# KiCad board dya-panelized.kicad_pcb (continued)
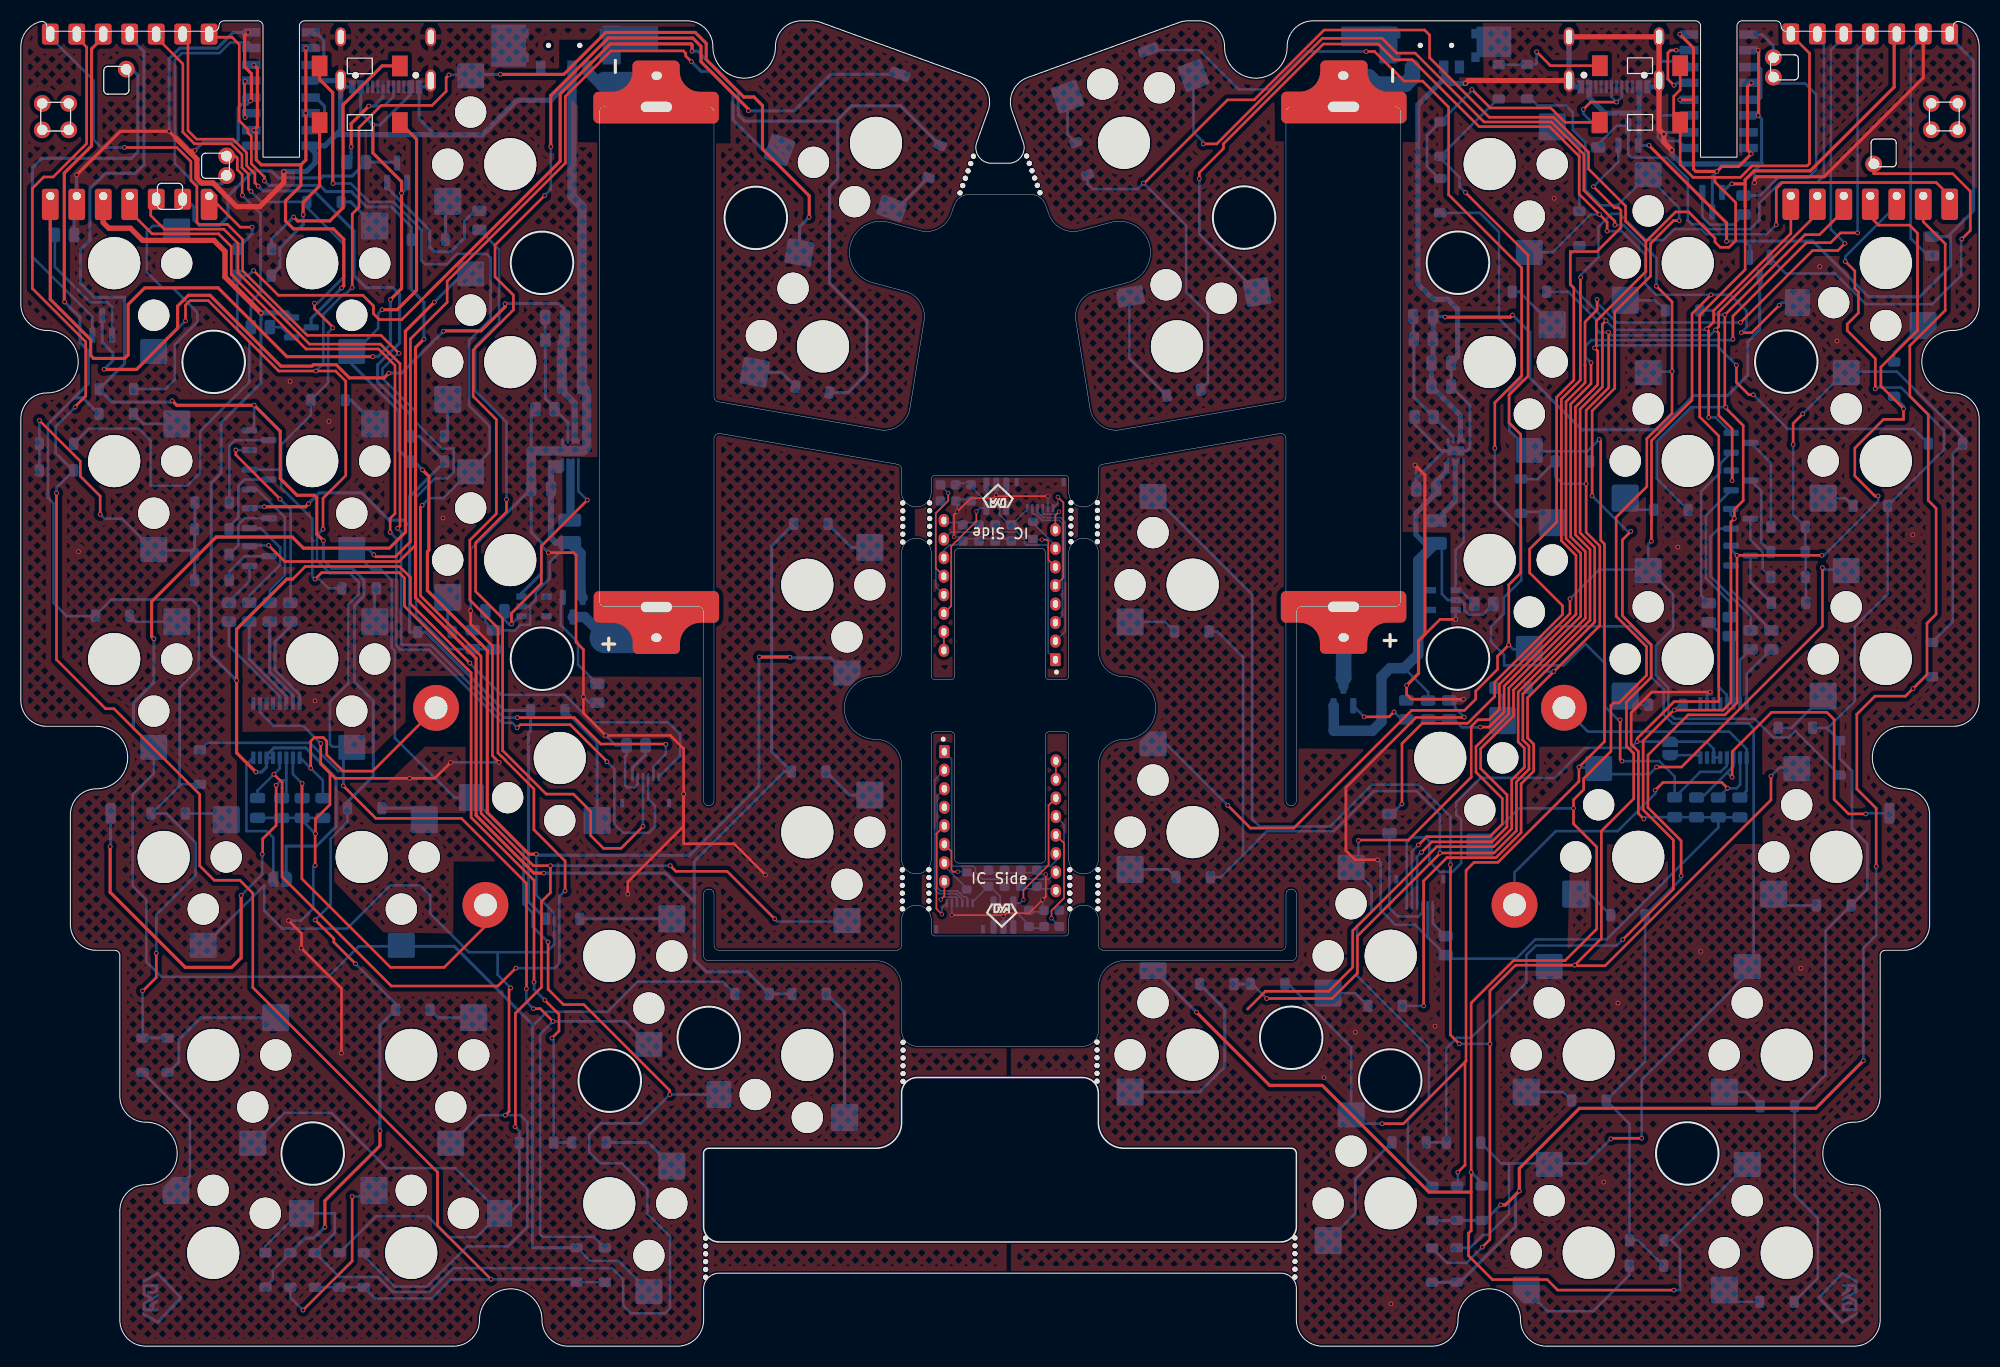
[diagram p0: board, top side]
## Routing (per net, layer and track width the routed paths; a pad name or vN(x,y) marks a point on that pad's centre or on a via; arc(x,y) is an arc through that point) (continued)
PINL3: length 147.2
  Top w0.25: v2(28.17,100.11) 28.17,99.58 29.92,97.83 v2(29.92,97.74) ; v2(49.23,34.94) 49.23,44.72 43.2,50.75 43.2,64.65 42.85,65 42.83,65 36.79,71.04 36.79,73.74 36.29,74.25 28.85,74.25 v2(28.22,73.62) ; v2(50.94,29.57) 51.63,30.26 51.63,31.86 v2(50.26,33.22) ; 12.98,125.65 15.54,123.09 15.54,116.53 16.67,115.41 20.17,115.41 21.21,114.37 21.21,113.13 21.83,112.51 21.83,111.09 v2(22.08,110.84)
  Bottom w0.25: v2(50.94,29.57) 51.12,29.39 DL21.1 ; 24.98,84.15 24.96,84.14 QL2.2 ; 24.98,84.15 24.98,82.4 27.96,79.42 27.96,73.88 v2(28.22,73.62) 28.63,73.62 29.52,72.73 DL19.2 ; 24.98,84.15 24.98,86.52 27.83,89.37 DL20.2 29.47,92.46 29.47,97.29 v2(29.92,97.74) ; v2(50.26,33.22) 49.23,34.25 v2(49.23,34.94) ; v2(22.08,110.84) 23.09,109.83 DL22.2 27.44,109.32 31.01,105.74 31.01,102.66 28.46,100.11 v2(28.17,100.11)
  Bottom w0.3: DL21.1 51.15,19.55 DL23.2 ; 27.34,109.92 DL22.2
PINL4: length 130.6
  Top w0.25: v2(22.77,111.35) 22.45,111.67 22.45,112.52 21.66,113.31 21.66,114.56 20.36,115.86 16.85,115.86 16.03,116.68 16.03,125.14 15.52,125.65
  Top w0.3: v2(27.6,80.86) 27.31,80.57 v2(23.36,80.57)
  Bottom w0.3: 37.3,78.71 37.3,81.54 DL28.1 38.24,87.33 DL29.2 37.34,89.43 34.22,92.55 34.22,94.18 36.34,96.3 36.34,100.96 35.68,101.62 33.1,101.62 31.97,102.76 31.97,107.04 28.11,110.89 23.23,110.89 v2(22.77,111.35) ; 37.3,78.71 36.72,79.29 35.32,79.29 32.71,81.91 28.63,81.91 27.54,80.82 27.58,80.86 v2(27.6,80.86) ; 37.3,78.71 37.3,68.54 38.84,68.54 46.35,61.03 DL26.2 48.9,59.07 48.7,58.87 48.7,42.65 DL25.2 ; v2(23.36,80.57) 22.08,80.57 QL3.2
PINL5: length 194.2
  Top w0.25: v2(23.77,76.86) 25.31,75.32 36.29,75.32 37.86,76.89 37.86,78.03 ; v2(23.36,111.85) 23.36,112.25 22.11,113.5 22.11,116.15 21.78,116.48 21.78,116.81 20.95,117.64 20.95,121.6 20.95,121.6 20.95,124.95 20.26,125.65 18.06,125.65
  Top w0.3: v2(50.17,45.41) 49.21,45.41 43.67,50.95 43.67,66.03 37.86,71.84 37.86,95.85 v2(38.67,96.66)
  Bottom w0.25: v2(23.77,76.86) 22.03,76.86 QL4.2
  Bottom w0.3: DL34.2 72.03,76.81 72.03,57.05 DL33.2 73.22,55.15 64.6,46.53 64.6,42.65 ; v2(50.17,45.41) 61.84,45.41 64.6,42.65 ; 64.6,42.65 64.6,37.1 65.78,35.92 69.7,35.92 DL35.1 DL32.2 ; v2(23.36,111.85) 23.78,111.43 28.67,111.43 29.27,110.83 31.7,110.83 33.17,109.36 35.54,109.36 37.45,107.45 DL31.2 37.45,101.44 38.67,100.22 v2(38.67,96.66)
PINL6: length 172.2
  Top w0.25: v2(22.18,107.41) 21.05,107.41 UL1.8 ; 38.99,100.99 36.54,98.54 34.39,98.54 33.82,99.11 33.82,99.86 32.8,100.88 24.69,100.88 v2(22.32,103.25)
  Top w0.3: 38.99,100.99 51.74,113.74 51.74,120.19 56.55,125 64.32,125 64.39,124.92 v2(64.39,124.3)
  Bottom w0.25: v2(22.32,103.25) 21.82,102.75 DL40.2 20.76,102.72 20.76,97.6 21.92,96.45 21.92,92.55 17.2,87.83 17.2,83.82 15.97,82.59 12.44,82.59 12.44,86.93 11.29,88.08 6.54,88.08 DL42.1
  Bottom w0.3: DL37.2 77.57,91.53 79.35,91.53 81.17,93.35 81.17,98.43 77.59,102.01 77.59,111.28 78.37,112.06 78.37,117.45 78.23,117.59 ; 78.23,117.59 69.43,117.59 68.82,118.2 68.82,120.42 64.94,124.3 v2(64.39,124.3) ; 78.23,117.59 79.7,119.06 84.4,119.06 DL38.2 ; DL40.2 20.73,105.3 DL39.2 22.18,106.75 v2(22.18,107.41)
PINR0: length 157.6
  Top w0.25: UR1.2 182.51,107.93 184.62,105.82 184.62,99.42 181.22,96.02 181.22,91.21 182.99,89.44 182.99,81.18 183.75,80.43 183.75,70.27 182.87,69.39 182.87,64.46 v2(181.53,63.12) 180.8,62.39 177.87,62.39 176.14,60.66 176.14,53.49 178,51.63 v2(178,46.05)
  Top w0.3: v2(141.97,13.56) 142.43,13.56 v2(143.76,14.89) 143.76,17.06 149.53,22.83 172.2,22.83 v2(176.77,27.4)
  Bottom w0.25: v2(176.77,27.4) 176.77,38.22 178,39.45 v2(178,46.05)
  Bottom w0.3: DR1.1 137.78,12.06 DR5.1 DR2.1 140.48,12.07 v2(141.97,13.56) ; DR6.1 182.66,64.25 v2(181.53,63.12) ; DR4.1 137.75,6.13 ; 137.75,6.13 138.06,6.13 143.39,11.46 143.39,14.52 v2(143.76,14.89) ; 137.75,6.13 DR3.1
PINR1: length 128.7
  Top w0.25: v2(175.03,104.12) 175.95,103.21 175.95,101.54 176.3,101.19 176.3,99.18 175.22,98.11 175.22,97.49 177.91,94.8 v2(177.91,91.89)
  Bottom w0.25: DR8.2 172.4,6.53 172.4,12.3 170.17,14.52 DR9.2 173.14,26.01 173.14,39.86 DR10.2 177.15,43.87 177.15,48.2 175.68,49.67 175.68,55.22 174.48,56.42 DR7.1 ; DR11.2 173.25,59.35 DR7.1 ; DR7.1 173.31,59.29 175.95,61.93 175.95,69.07 179.09,72.22 DR12.2 184.5,86.07 184.5,87.9 180.39,92.01 178.03,92.01 v2(177.91,91.89) ; UR1.3 179.97,109.53 175.03,104.59 v2(175.03,104.12)
PINR2: length 138.8
  Top w0.25: UR1.4 177.43,108.4 178.23,107.6 181.2,107.6 181.96,106.84 181.96,97.49 178.45,93.98 178.45,92.16 180.64,89.97 v2(180.62,89.97) 180.62,88.96 178.71,88.96 175.95,86.2 175.95,83.54 177.88,81.6 v2(178.18,81.6) ; v2(159.28,45.15) 159.28,48.51 156.1,51.69 156.1,56.74 159.96,60.6 163.49,60.6 164.65,61.77 164.65,75.89 v2(164.63,75.91) v2(172.78,75.91)
  Bottom w0.25: v2(164.63,75.91) 164.06,76.48 QR1.2 ; DR15.2 155.17,10.16 DR14.1 154.33,21.35 DR16.2 155.83,27.31 DR17.2 155.83,41.4 159.28,44.85 v2(159.28,45.15) ; DR13.2 180.62,90.27 v2(180.62,89.97) ; v2(178.18,81.6) 178.18,81.1 172.99,75.91 v2(172.78,75.91)
PINR3: length 141.9
  Top w0.25: v2(153.68,39.02) 158.54,43.88 158.54,48.58 155.64,51.49 155.64,58.12 158.57,61.05 v2(158.63,61.05) 163.3,61.05 164.06,61.81 164.06,75.67 164.06,75.67 164.06,79.11 v2(164.39,79.44) 164.39,80.32 165.24,81.17 165.24,88.37 163.58,90.03 v2(163.58,90.13) 163.48,90.24 v2(163.48,98.99) 171.17,106.69 172.56,106.69 174.89,109.02 UR1.5
  Bottom w0.25: DR19.2 159.14,61.56 v2(158.63,61.05) ; v2(153.68,39.02) 153.11,38.45 145.35,38.45 144.43,37.53 144.43,34.9 139.13,29.6 137.76,29.6 136.75,28.58 DR21.1 136.72,19.56 DR23.2 ; DR22.2 162.22,99.41 162.63,99 163.47,99 v2(163.48,98.99) ; DR20.2 156.95,83.29 156.95,86.86 160.22,90.13 v2(163.58,90.13) ; v2(164.39,79.44) 164.04,79.79 QR2.2
PINR4: length 141.9
  Top w0.25: v2(134.58,32.66) 134.58,44.66 136.81,46.89 141.52,46.89 143.93,49.3 143.93,53.98 145.14,55.19 145.14,57.78 144.55,58.37 144.55,62.24 v2(147.07,64.76) 151.48,69.17 151.48,76.81 150.17,78.12 v2(150.17,82.78) 150.17,89.84 152.34,92.01 152.34,97.29 v2(152.31,97.32) ; v2(164.18,83.08) 164.18,88.04 162.9,89.33 162.9,97.25 v2(162.59,97.55) 162.89,97.85 162.89,99.25 172.35,108.71 UR1.6
  Bottom w0.25: DR26.2 146.19,64.76 v2(147.07,64.76) ; DR27.2 143.94,83.22 145.51,83.22 DR28.1 147.21,83.49 147.92,82.78 v2(150.17,82.78) ; v2(134.58,32.66) DR25.2 ; DR29.2 148.46,101.21 151.16,98.52 151.16,97.59 151.43,97.32 v2(152.31,97.32) 152.6,97.03 162.07,97.03 v2(162.59,97.55) ; v2(164.18,83.08) 164.18,83.96 QR3.2
PINR5: length 190.7
  Top w0.25: v2(161.93,89.15) 161.93,97.45 v2(161.74,97.65) 162.4,98.31 162.4,99.4 169.81,106.81 UR1.7 ; v2(119.52,33.37) 125.8,33.37 128.23,35.8 128.23,39.37 136.15,47.29 v2(136.15,47.34) 141.34,47.34 143.48,49.49 143.48,54.17 144.69,55.38 144.69,57.6 144.1,58.19 144.1,62.61 151,69.51 151,76.66 149.59,78.07 149.59,89.94 151.73,92.08 151.73,98.09 v2(152.08,98.44)
  Bottom w0.25: QR4.2 162.59,89.15 v2(161.93,89.15) ; DR31.2 148.65,104.77 148.65,101.87 v2(152.08,98.44) 152.97,97.55 161.64,97.55 v2(161.74,97.65) ; 117.25,47.15 119.53,49.43 125.96,49.43 129.8,53.27 133.91,53.27 136.15,51.03 v2(136.15,47.34) ; 117.25,47.15 115.11,45.01 DR33.2 ; 117.25,47.15 117.25,66.14 114.79,68.6 DR34.2 ; v2(119.52,33.37) 118.12,34.77 DR35.1 117.8,34.6
  Bottom w0.3: DR35.1 117.96,34.76 DR32.2
PINR6: length 285.4
  Top w0.25: 155.9,106.03 155.9,103.15 151.15,98.4 151.15,95.99 v2(150.98,95.82) 151.28,95.52 151.28,92.28 149.14,90.14 149.14,77.88 150.55,76.47 150.55,69.69 143.65,62.8 143.65,58 144.24,57.41 144.24,55.56 143.03,54.35 143.03,49.67 141.3,47.94 135.83,47.94 127.78,39.89 127.78,36.37 125.48,34.07 119.41,34.07 117.69,32.35 ; 155.9,106.03 153.96,107.97 153.96,109.45 150.4,113 150.4,114.59 147.03,117.96 140.87,117.96 135.15,123.68 135.15,125.85 134.67,126.33 125.02,126.33 118.32,119.63 115.77,119.63 107.78,111.64 v2(107.71,111.64) ; 155.9,106.03 158.75,108.87 160.01,108.87 162.53,106.35 162.53,105.99 163.05,105.48 163.88,105.48 164.51,106.11 164.51,109.77 162.54,111.74 162.54,112.19 ; 169.81,125.89 171.6,124.1 171.6,113.51 171.38,113.29 166.09,113.29 164.99,112.19 162.54,112.19 ; v2(164.59,94.16) 164.59,92.51 165.78,91.32 v2(166.21,91.32) ; 162.54,112.19 160.43,112.19 159.19,113.43 SWR28.2 158.58,118.09 158.58,119.98 159.19,120.59 SWR27.2
  Bottom w0.25: DR37.2 113.89,92.52 113.89,99.12 111.8,101.21 111.8,107.55 v2(107.71,111.64) 107.14,111.07 102.82,111.07 102.34,111.56 DR38.2 ; DR42.1 181.59,88.04 169.49,88.04 v2(166.21,91.32) ; v2(150.98,95.82) 151.23,96.07 162.68,96.07 v2(164.59,94.16)
SCLK: length 27.1
  Bottom w0.16: J1.2 90.82,42.98 90.68,43.12 90.45,43.12 90.31,43.25 90.31,43.25 90.09,43.47 90.09,43.47 89.87,43.7 88.24,43.7 87.92,44.01 87.92,52.83 U1.3 ; P2_U1.3 99.93,70.14 99.93,78.95 99.62,79.27 97.99,79.27 97.76,79.49 97.76,79.49 97.54,79.71 97.54,79.71 97.41,79.85 97.18,79.85 97.04,79.99 P2_J1.2
SCLK_L: length 93.7
  Top w0.25: 12.98,110.4 12.46,109.88 12.46,108.52 13.76,107.22 19.47,107.22 20.83,105.86 20.83,103.04 27.69,96.18 34.5,96.18 36.37,94.31 36.37,78.72 v2(36.15,78.5) ; v2(61.88,57.77) 61.85,57.8 55.63,57.8 53.1,60.33 v2(47.63,60.33)
  Bottom w0.25: v2(47.63,60.33) 46.32,60.33 39.34,67.31 36.6,67.31 36.48,67.43 36.48,78.18 v2(36.15,78.5) ; v2(61.88,57.77) 61.88,56.84 60.68,55.64 JL3.2
SCLK_R: length 121.2
  Top w0.25: v2(175,105.85) 174.32,105.17 171.89,105.17 v2(164.98,98.26) ; v2(151.22,100.47) 151.22,99.47 150.07,98.32 150.07,94.17 150.07,94.17 150.07,92.48 148.24,90.65 148.24,77.51 149.65,76.1 149.65,70.07 142.75,63.17 142.75,60.69 139.6,57.54 139.6,55.1 142.13,52.57 142.13,50.12 140.91,48.9 134.87,48.9 v2(134.08,48.11)
  Bottom w0.25: v2(164.98,98.26) 153.11,98.26 151.22,100.15 v2(151.22,100.47) ; JR3.2 133.46,47.49 v2(134.08,48.11) ; 174.89,125.66 173.65,124.42 173.65,107.2 v2(175,105.85)
SDIO: length 30.4
  Bottom w0.16: U1.2 87.66,54.35 87.66,43.87 88.1,43.44 89.75,43.44 90.32,42.87 J1.3 ; P2_U1.2 100.19,68.62 100.19,79.09 99.76,79.53 98.11,79.53 97.54,80.1 P2_J1.3
SDIO_L: length 102.8
  Top w0.25: v2(56.23,56.1) 56.23,56.13 52.71,59.65 47.91,59.65 v2(47.62,59.36) ; v2(35.43,78.12) 35.43,79.45 35.89,79.91 35.89,94.15 34.33,95.71 27.36,95.71 20.19,102.89 20.19,105.56 18.97,106.77 12.59,106.77 10.44,108.92 UL1.11
  Bottom w0.25: v2(47.62,59.36) 47.14,59.84 46.18,59.84 39.17,66.85 36.39,66.85 36.33,66.91 36.33,66.94 36.03,67.24 36.03,77.53 v2(35.43,78.12) ; JL3.3 60.18,52.51 60.84,51.85 60.84,49.88 60.24,49.28 57.76,49.28 56.93,50.11 56.93,55.4 v2(56.23,56.1)
SDIO_R: length 118.6
  Top w0.25: v2(176.21,106.86) 174.56,106.86 173.62,105.92 171.3,105.92 164.25,98.87 v2(164.25,96.66) ; v2(134.37,47.41) 135.37,48.41 141.13,48.41 142.58,49.86 142.58,52.92 140.05,55.45 140.05,57.35 143.2,60.5 143.2,62.98 150.1,69.88 150.1,76.29 148.69,77.69 148.69,90.43 150.64,92.38 v2(150.64,94.41)
  Bottom w0.25: JR3.3 133.96,47 v2(134.37,47.41) ; v2(176.21,106.86) 176.21,124.44 177.43,125.66 ; v2(164.25,96.66) 164.16,96.57 150.68,96.57 150.12,96.01 150.12,94.94 v2(150.64,94.41)
TOUCHL1: length 18.1
  Top w0.25: v2(20.62,86.02) 20.62,85.56 v2(24.86,81.32)
  Bottom w0.25: QL1.1 20.63,86.02 v2(20.62,86.02) ; v2(24.86,81.32) 25.88,80.3 25.88,71.41 RL8.1
TOUCHL2: length 13.3
  Bottom w0.25: RL9.1 23.88,72.57 25.33,74.02 25.33,79.57 22.66,82.24 QL2.1
TOUCHL3: length 10.6
  Bottom w0.25: 21.91,70.99 21.91,72.03 24.88,75 24.88,76.65 23.01,78.52 QL3.1
TOUCHL4: length 4.3
  Bottom w0.25: QL4.1 21.95,73.43 19.96,71.45 RL11.1
TOUCHR1: length 7.8
  Bottom w0.25: QR1.1 164.06,72.58 RR8.1
TOUCHR2: length 12.8
  Bottom w0.25: RR9.1 165.95,70.06 162.1,73.91 162.1,77.69 162.88,78.47 QR2.1
TOUCHR3: length 14.1
  Bottom w0.25: RR10.1 163.95,71.42 161.65,73.72 161.65,79.72 QR3.1
TOUCHR4: length 15.9
  Bottom w0.25: QR4.1 163.02,84.7 163.02,83.86 161.2,82.04 161.2,72.05 RR11.1
Net-(DL1-A): length 251.6
  Top w0.25: v2(51.05,31.18) 49.84,32.39 v2(49.17,32.39) ; v2(31.79,101.62) 31.79,108.68 32.44,109.33 32.44,116.97 34.57,119.1 39.45,119.1 40.8,120.45 40.8,121.77 v2(41.06,122.03) ; v2(28.99,78.42) 28.99,81.39 31.17,83.57 31.17,92.62 30.19,93.6 24.74,93.6 17.98,100.36 16.23,100.36 15.8,99.92 v2(15.8,98.43) ; v2(48.49,34.31) 48.51,34.33 48.51,44.42 42.27,50.66 34.06,50.66 v2(30.93,53.79)
  Top w0.3: v2(46,122.08) 52.09,122.08 56.11,126.1 64.7,126.1 65.75,125.05 65.75,123.5 69.34,119.91 70.32,119.91 71.15,119.08 71.15,114.9 75.63,110.42 75.63,108.37 v2(75.62,108.36)
  Bottom w0.25: DL7.2 17.85,57.91 27.74,57.91 30.43,55.21 30.93,55.21 30.93,55.5 ; v2(41.06,122.03) 43.15,122.03 ; v2(49.17,32.39) 48.49,33.07 v2(48.49,34.31) ; 60.25,28.88 57.95,31.18 v2(51.05,31.18) 49.81,29.94 49.81,10.73 50.05,10.49 54.97,10.49 DL1.2 ; v2(15.8,98.43) 12.75,95.38 ; v2(31.79,101.62) 31.17,101 30.97,101 29.02,99.05 29.02,94.32 v2(28.3,93.6) ; 31.75,57.38 30.93,56.56 v2(30.93,53.79) 30.93,57.54 29.88,57.54 29.65,57.77 29.65,61.85 31.4,63.6 31.4,71.17 32.43,72.2 32.43,73.34 31.58,74.19 29.64,74.19 28.41,75.42 28.41,77.84 v2(28.99,78.42)
  Bottom w0.3: v2(75.62,108.36) 74.7,107.44 74.7,105.07 ; 43.15,122.03 43.2,122.08 v2(46,122.08)
Net-(DL8-K): length 13.8
  Bottom w0.25: DL8.1 16.22,21.74 16.22,16.3 SWL1.2
Net-(DL9-K): length 13.8
  Bottom w0.3: SWL2.2 17.27,31.53 15.15,29.41 15.15,27.25 14.19,26.28 DL9.1
Net-(DL10-K): length 4.2
  Bottom w0.25: DL10.1 19.1,51.13 SWL3.2
Net-(DL11-K): length 4.8
  Bottom w0.25: SWL4.2 11.01,69.53 DL11.1
Net-(DL12-K): length 4.5
  Bottom w0.25: SWL5.2 11.76,88.53 DL12.1
Net-(DL13-K): length 25.1
  Bottom w0.25: SWL6.2 12.64,107.53 12.09,106.98 12.09,103.07 13.56,101.61 14.56,101.61 16.93,99.23 16.93,98.32 14.77,96.16 14.77,92.76 13.88,91.87 DL13.1
Net-(DL14-A): length 239.1
  Top w0.25: v2(64.33,123.3) 63.79,123.84 63.79,124.1 63.56,124.33 56.61,124.33 52.24,119.96 52.24,113.57 40.9,102.23 40.9,100.21 37.37,96.68 37.37,77.22 35.92,75.77 34.06,75.77 v2(33.86,75.97) ; v2(62.26,24.16) 62.26,24.54 54,32.79 52.05,32.79 50.58,34.26 v2(50.58,38.79)
  Bottom w0.25: 66.88,24.16 v2(62.26,24.16) 59.49,21.39 55.64,21.39 54.53,20.28 54.53,18.6 55.58,17.55 57.67,17.55 60.11,15.11 60.11,12.7 62.28,10.53 62.28,3.63 61.8,3.15 58.54,3.15 57.78,3.91 57.78,6.41 56.7,7.49 41.47,7.49 39.18,5.2 35.68,5.2 34.24,6.64 30.54,6.64 28.23,8.95 DL2.2 30.11,10.86 30.11,12.76 26.61,12.76 23.46,9.6 DL14.2 ; v2(33.86,75.97) 33.36,76.48 SWL11.1 33.67,74.55 34.53,74.55 35.58,73.51 35.58,68.21 35.57,68.2 35.57,67.06 35.88,66.75 35.88,58.37 41.6,52.66 43.26,52.66 48.23,47.69 48.23,42.46 49.1,41.58 49.1,40.27 v2(50.58,38.79)
  Bottom w0.3: v2(64.33,123.3) 65.26,122.37 66.17,122.37 68.32,120.21 68.32,117.73 71.22,114.83 SWL23.1
Net-(DL15-K): length 18.4
  Top w0.25: v2(27.07,3.46) 31.78,8.17 v2(31.78,14.37)
  Bottom w0.25: v2(27.07,3.46) 25.85,4.68 DL15.1 ; v2(31.78,14.37) 33.29,14.37 SWL7.2
  Bottom w0.3: 34.45,15.09 34.79,14.75 34.81,14.77
Net-(DL16-K): length 4.5
  Bottom w0.3: DL16.1 40.03,31.53 SWL8.2
Net-(DL17-K): length 4.5
  Bottom w0.3: DL17.1 37.59,51.64 SWL9.2
Net-(DL18-A): length 9.5
  Bottom w0.25: DL18.2 20.01,86.41 20.56,86.97 QL1.3
Net-(DL18-K): length 34.6
  Top w0.25: v2(7.61,79.84) 7.61,81.59 5.7,83.5 5.7,84.94 v2(1.78,88.86)
  Bottom w0.25: DL6.2 1.78,85.09 1.78,85.09 v2(1.78,88.86) ; DL30.1 16.28,76.38 12.75,76.38 9.71,79.43 8.03,79.43 v2(7.61,79.84)
  Bottom w0.3: DL36.1 16.67,73.55 DL30.1 DL24.1 16.71,78.45 DL18.1 ; DL6.2 1.78,84.31
Net-(DL19-K): length 3.3
  Bottom w0.3: DL19.1 33.95,72.58 SWL10.2
Net-(DL20-K): length 3.8
  Bottom w0.3: DL20.1 31.67,90.81 SWL11.2
Net-(DL21-A): length 216.7
  Top w0.25: v2(47.41,21.06) 47.44,21.09 47.44,31.94 49.95,34.45 49.95,42.68 50.8,43.53 v2(50.8,46.12) 49.17,46.12 44.15,51.15 44.15,66.23 38.34,72.04 38.34,80.56 v2(38.5,80.72) ; v2(72.33,41.02) 67.76,45.58 62.84,45.58 v2(62.3,46.12)
  Top w0.3: v2(29.95,111.61) 29.92,111.64 29.92,120.33 28.66,121.59 SWL24.1
  Bottom w0.25: 79.25,40.75 72.59,40.75 v2(72.33,41.02) ; v2(29.95,111.61) 29.96,111.6 31.65,111.6 33.42,109.84 35.74,109.84 38.43,107.14 38.43,104.2 38.79,103.84 40.84,103.84 41.84,104.84 44.7,104.84 45.08,104.47 45.08,98.61 43.01,96.54 43.01,90.25 44.98,88.28 44.98,85.86 40.53,81.41 39.19,81.41 v2(38.5,80.72) ; 46.03,12.76 46.88,12.76 47.82,13.7 DL21.2 47.82,20.65 v2(47.41,21.06) ; 46.03,12.76 41.7,17.08 35.11,17.08 29.8,22.39 25.26,22.39 22.25,19.38 ; 46.03,12.76 43.74,10.47 41.01,10.47 39,12.48 34.08,12.48 DL3.2 ; v2(62.3,46.12) v2(50.8,46.12)
Net-(DL22-K): length 4.2
  Bottom w0.3: DL22.1 31.65,109.83 SWL12.2
Net-(DL23-K): length 7.2
  Bottom w0.3: DL23.1 60.18,19.55 SWL13.2
Net-(DL24-A): length 7.7
  Bottom w0.25: DL24.2 19.97,78.65 20.86,79.54 20.86,82.59 21.46,83.19 QL2.3
Net-(DL25-K): length 8.8
  Bottom w0.3: SWL14.2 53.64,41.03 DL25.1
Net-(DL26-K): length 11.8
  Bottom w0.3: DL26.1 52.2,61.02 55.28,57.95 SWL15.2
Net-(DL27-K): length 3.5
  Bottom w0.3: SWL16.2 40.95,68.97 DL27.1
Net-(DL28-A): length 237.2
  Top w0.25: v2(47,34.39) 46.84,34.23 46.84,22.53 v2(46.48,22.17)
  Top w0.3: v2(38.53,84.11) 39.15,83.5 39.15,76.41 39,76.26 39,72.53 44.75,66.78 44.75,51.21 48.74,47.23 v2(49.45,47.23) ; v2(70.85,66.15) 73.75,66.15 v2(73.78,66.12) ; v2(34.65,99.49) 36.1,99.49 37.96,101.35 37.96,115.85 SWL25.1
  Bottom w0.25: 45.74,37.81 42.98,37.81 39.27,41.52 39.27,43.23 38.27,44.23 35.44,44.23 31.3,40.09 25.07,40.09 23.35,41.8 23.35,44.23 17.5,38.38 ; 45.74,37.81 50.42,37.81 51.16,38.55 51.16,41.58 49.45,43.29 v2(49.45,47.23) ; 45.74,37.81 45.74,35.65 v2(47,34.39) ; v2(34.65,99.49) 34.28,99.12 34.28,97.7 31.96,95.38 31.75,95.38 ; 41.25,19.38 44.04,22.17 v2(46.48,22.17) 47.94,22.17 48.6,21.52 48.6,11.45 46.73,9.58 42.82,9.58 38.96,5.72 35.85,5.72 32.91,8.66 DL4.2
  Bottom w0.3: v2(38.53,84.11) 37.73,84.91 DL28.2 36.27,86 36.27,89.75 31.75,94.27 31.75,95.38 ; 79.25,64.51 77.69,66.07 73.83,66.07 v2(73.78,66.12) ; v2(49.45,47.23) 49.56,47.12 64.14,47.12 70.81,53.79 70.81,66.11 v2(70.85,66.15)
Net-(DL29-K): length 3.7
  Bottom w0.3: DL29.1 40.95,87.64 SWL17.2
Net-(DL30-A): length 6.4
  Bottom w0.25: DL30.2 20.86,76.88 20.86,78.87 21.46,79.47 QL3.3
Net-(DL31-K): length 4.4
  Bottom w0.3: 41.39,109.44 SWL18.2 40.75,109.68 DL31.1
Net-(DL32-K): length 12.6
  Bottom w0.3: SWL19.2 79.03,32.07 DL32.1
Net-(DL33-K): length 5.1
  Bottom w0.3: DL33.1 79.48,52.9 SWL20.2
Net-(DL34-K): length 4.9
  Bottom w0.3: DL34.1 79.71,76.66 SWL21.2
Net-(DL35-A): length 191.7
  Top w0.3: v2(12.76,67.9) 12.54,68.12 12.54,71.47 18.74,77.67 26.04,77.67 27.11,76.6 35.36,76.6 36.89,78.13 36.89,97.43 v2(39.67,100.21)
  Bottom w0.25: 60.25,5.13 60.25,5.26 57.32,8.19 54.58,8.19 DL5.2 ; 12.75,57.38 12.75,54.96 10.73,52.94 10.73,44.17 12.03,42.86 12.03,36.92 13.49,35.46 29.5,35.46 32.42,38.38 36.5,38.38 ; 49.07,30.71 50.46,32.1 56.26,32.1 59.15,34.99 67.33,34.99 DL35.2
  Bottom w0.3: v2(12.76,67.9) 12.76,63.72 10.8,61.76 10.8,59.33 12.75,57.38 ; 43.15,103.03 42.49,103.03 v2(39.67,100.21) ; DL5.2 49.07,9.45 49.07,30.89 41.58,38.38 36.5,38.38
Net-(DL36-A): length 5.2
  Bottom w0.25: QL4.3 21.48,75.83 19.98,74.33 DL36.2
Net-(DL37-K): length 4.5
  Bottom w0.3: DL37.1 72.94,93.48 SWL22.2
Net-(DL38-K): length 7
  Top w0.16: 99.3,56.18 99.3,54.4
  Bottom w0.3: SWL23.2 83.52,108.64 DL38.1
Net-(DL39-K): length 26.2
  Top w0.3: SWL24.2 34.65,122.89 30.91,119.15 30.91,109.28 29.64,108.01 26.55,108.01 v2(26.17,108.39)
  Bottom w0.3: DL39.1 24.05,106.27 v2(26.17,108.39)
Net-(DL40-K): length 16.6
  Top w0.3: v2(27.08,108.61) 27.08,109.79 28.66,111.37 SWL25.2
  Bottom w0.3: v2(27.08,108.61) 27.08,107.66 24.85,105.43 24.85,103.57 DL40.1
Net-(DR1-A): length 250.9
  Top w0.25: v2(128.32,48.53) 128.37,48.58 133.11,48.58 139.15,54.62 139.15,59.49 139.79,60.13 140.85,60.13 141.85,61.13 141.85,63.54 148.62,70.31 v2(148.62,71.73) ; v2(152.18,107.03) 152.18,107.9 v2(151.45,108.63) 149.5,110.58 149.5,114.22 146.66,117.06 139.9,117.06 133.48,123.48 131.73,123.48 130.22,124.99 124.95,124.99 115.37,115.41 115.37,114.95 113.06,112.64 v2(113.06,112.07) ; v2(165.06,97.28) 166.06,97.28 v2(168.7,99.92) ; v2(162.15,100.92) 160.33,99.1 160.33,90.82 156.44,86.93 156.44,79.16 156.43,79.15 v2(156.43,77.27)
  Bottom w0.25: DR7.2 170.23,59.07 169.59,58.43 168.13,58.43 166.34,60.22 158.65,60.22 158.06,60.81 158.06,63.22 156.86,64.41 156.86,67.23 158.52,68.89 158.52,72.14 156.12,74.54 ; 156.12,74.54 156.12,76.96 v2(156.43,77.27) ; 156.12,74.54 151.43,74.54 v2(148.62,71.73) ; SWR22.1 113.06,106.73 v2(113.06,112.07) ; DR1.2 133.08,17.7 133.08,21.71 135.09,23.72 135.09,28.65 128.19,35.55 128.19,40.31 129.58,41.7 129.58,44.08 127.62,46.04 128.32,46.74 v2(128.32,48.53) ; 170.35,100.17 168.95,100.17 v2(168.7,99.92) ; SWR18.1 146.95,104.99 150.6,108.63 v2(151.45,108.63) ; v2(152.18,107.03) 153.58,107.03 155.85,104.77 155.85,101.97 156.9,100.92 v2(162.15,100.92) 164.01,100.92 165.56,99.38 165.56,97.78 v2(165.06,97.28)
Net-(DR8-K): length 3.9
  Bottom w0.25: DR8.1 164.55,4.26 SWR1.2
Net-(DR9-K): length 4
  Bottom w0.25: DR9.1 165.52,24.39 SWR2.2
Net-(DR10-K): length 4.6
  Bottom w0.25: SWR3.2 169.26,42.3 DR10.1
Net-(DR11-K): length 5.6
  Bottom w0.25: SWR4.2 169.88,59.35 DR11.1
Net-(DR12-K): length 3.2
  Bottom w0.25: SWR5.2 175.06,81.39 DR12.1
Net-(DR13-K): length 4.6
  Bottom w0.25: DR13.1 179.72,95.37 182.31,97.96
Net-(DR14-A): length 269.5
  Top w0.25: v2(156.9,101.75) 158.41,100.24 v2(158.41,93.56) 158.41,89.54 155.99,87.12 155.99,82.51 153.05,79.57 153.05,70.07 155.96,67.16 155.96,64.39 153.31,61.74 152.79,61.74 152.55,61.5 152.55,57.1 149.93,54.48 149.93,53.42 148.96,52.45 v2(148.96,51.63) 148.96,50.14 151.18,47.92 151.18,40.04 148.16,37.02 143.21,37.02 139.14,32.95 v2(139.14,16.69) 139.14,11.09 138.89,10.84 138.89,8.68 141.18,6.39 146.43,6.39 147.44,5.38 v2(158.58,5.38) ; v2(152.93,107.61) 152.93,107.97 149.95,110.95 149.95,114.41 146.85,117.51 140.37,117.51 133.76,124.12 132,124.12 130.59,125.53 124.86,125.53 114.73,115.4 v2(113.44,115.4)
  Top w0.3: v2(112.79,32.05) 119.81,25.03 124.85,25.03 135.09,14.79 139.14,14.79
  Bottom w0.25: 139.97,47.89 143.7,51.62 148.95,51.62 v2(148.96,51.63) ; SWR1.1 158.34,10.16 ; 158.34,10.16 159.18,9.32 159.18,5.38 v2(158.58,5.38) ; 158.34,10.16 DR14.2 ; v2(113.44,115.4) 113.44,115.59 112.5,116.53 SWR23.1 ; v2(152.93,107.61) 153.75,107.61 156.9,104.46 v2(156.9,101.75) ; v2(158.41,93.56) 158.39,93.54 156.12,93.54
  Bottom w0.3: v2(139.14,16.69) 140.14,15.69 DR2.2 ; SWR19.1 108.63,36.22 v2(112.79,32.05)
Net-(DR15-K): length 13.1
  Bottom w0.25: SWR7.2 146.46,3.35 150.85,3.35 154.31,6.81 DR15.1
Net-(DR16-K): length 4.7
  Bottom w0.25: SWR8.2 147.99,24.39 DR16.1
Net-(DR17-K): length 4.2
  Bottom w0.25: DR17.1 150.51,43.39 SWR9.2
Net-(DR18-A): length 5.4
  Bottom w0.25: DR18.2 165.94,73.36 QR1.3
Net-(DR18-K): length 59.7
  Top w0.25: v2(170.03,86.55) 170.03,88.57 v2(170.95,89.49)
  Bottom w0.25: DR6.2 185.35,69.55 185.35,85.67 DR42.2 186.3,87.23 179.99,93.54 175,93.54 v2(170.95,89.49) ; 171.25,78.68 171.21,78.64 171.21,76.24 171.23,76.22 171.23,73.77 171.26,73.74 171.26,71.22 ; v2(170.03,86.55) 170.03,79.82 DR36.1
Net-(DR19-K): length 2.6
  Bottom w0.25: SWR10.2 154.75,61.56 DR19.1
Net-(DR20-K): length 3.2
  Bottom w0.25: SWR11.2 155.02,80.29 DR20.1
Net-(DR22-K): length 4.3
  Bottom w0.25: SWR12.2 156.79,100.39 DR22.1
Net-(DR23-K): length 12
  Bottom w0.25: SWR13.2 128.03,12.75 128.03,16.05 DR23.1
Net-(DR24-A): length 6.4
  Bottom w0.25: QR2.3 165.92,77.4 167.11,76.21 167.11,74.61 DR24.2
Net-(DR25-K): length 4.3
  Bottom w0.25: DR25.1 128.01,33.89 SWR14.2
Net-(DR26-K): length 3.5
  Bottom w0.25: DR26.1 142.17,62.34 SWR15.2
Net-(DR27-K): length 3.5
  Bottom w0.25: DR27.1 144.06,80.08 145.88,80.08 SWR16.2
Net-(DR29-K): length 5.1
  Bottom w0.25: DR29.1 143.75,101.21 SWR17.2
Net-(DR30-A): length 7.7
  Bottom w0.25: QR3.3 166.98,82.08 166.98,77.14 DR30.2
Net-(DR31-K): length 9.6
  Bottom w0.25: SWR18.2 147.57,117.04 149.52,115.09 DR31.1
Net-(DR32-K): length 42.3
  Bottom w0.16: 93.95,44.82 94.38,44.4 94.38,43.9 ; 93.95,44.82 98.63,44.82 99.3,45.5 99.3,45.5 ; 93.95,44.82 92.27,44.82 91.58,45.52 91.58,45.86 91.37,46.06 89.46,46.06 89.29,46.23 89.29,56.37 88.6,57.07
  Bottom w0.3: DR32.1 115.5,32.36 115.5,26.81 113.09,24.4 SWR19.2
Net-(DR33-K): length 4.7
  Bottom w0.25: SWR20.2 110.08,45.77 DR33.1
Net-(DR34-K): length 4.6
  Bottom w0.25: SWR21.2 109.77,69.52 DR34.1
Net-(DR36-A): length 8.9
  Bottom w0.25: QR4.3 167.9,84.77 DR36.2
Net-(DR37-K): length 11.7
  Bottom w0.25: SWR22.2 106.35,94.83 DR37.1 109.77,91.41
Net-(DR38-K): length 4.7
  Bottom w0.25: SWR23.2 100.42,116.32 DR38.1
Net-(DR43-A): length 11.4
  Top w0.25: v2(145.42,124.24) 146.75,122.91 SWR27.1
  Bottom w0.25: v2(145.42,124.24) 145.42,123.16 145.29,123.03 DR44.2 144.48,123.01 DR43.2
Net-(DR45-A): length 24.5
  Top w0.25: v2(139.21,120.62) 140.98,118.85 146.78,118.85 148.16,117.47 SWR28.1
  Bottom w0.25: DR46.2 136.08,112.08 134.9,113.26 134.9,116.22 139.21,120.53 v2(139.21,120.62)
Net-(JL3-Pin_6): length 3.6
  Bottom w0.3: RL1.2 59.94,56.77 58.68,55.52 JL3.6
Net-(JL4-Pin_1): length 9.4
  Bottom w0.3: 60.97,67.51 JL4.1
  Bottom w1: QL8.3 54.08,69.99 56.06,68.01
  Bottom w3: JL4.1 56.06,68.01
Net-(JL4-Pin_2): length 7.8
  Bottom w1: 60.51,121.46 JL4.2 ; SW_BATL1.1 54.37,122.34 55.38,121.33 56.02,121.33
  Bottom w2: 60.51,121.46 60.38,121.33 56.02,121.33
Net-(JPL1-A): length 14.1
  Bottom w0.25: UL4.8 21.64,55.83 21.64,49.45 21.65,49.44 23.6,49.44 24.22,48.82 JPL1.1
Net-(JPR1-A): length 3
  Bottom w0.25: JPR1.1 160.9,56.72 UR4.8
Net-(JR3-Pin_6): length 3.5
  Bottom w0.25: RR1.2 135.46,40.57 JR3.6
Net-(JR4-Pin_1): length 4.7
  Bottom w1: QR8.3 126.88,64.14
  Bottom w1.5: JR4.1 126.9,64.16 126.88,64.14
Net-(JR4-Pin_2): length 9.7
  Bottom w0.5: 126.87,118.02 129,118.02 ; 126.87,118.41 126.97,118.41 128.18,119.62
  Bottom w1.5: SW_BATR1.3 133.51,121.81 132.83,121.13 130.05,121.13 129.33,121.85
Net-(LED_L1-DOUT): length 5.6
  Bottom w0.3: LED_L1.1 28.31,126.11 29.06,125.36 29.06,123.22 28.82,122.98 LED_L2.3
Net-(LED_L1-VDD): length 47.4
  Top w0.3: 26.86,113.39 27.34,113.87 v2(27.34,118.36) v2(27.34,124.61) ; 26.86,113.39 26.86,111.41 25.39,109.94 25.39,108.01 26.15,107.25 29.98,107.25 30.98,106.25 30.98,101.78 v2(30.78,101.58) ; 26.86,113.39 23.07,113.39 22.59,113.88 22.59,116.49 v2(22.35,116.72) 22.69,117.06 22.69,122.64 v2(22.35,122.98)
  Bottom w0.3: QL5.3 27.85,98.65 v2(30.78,101.58)
Net-(LED_L2-DOUT): length 7.1
  Top w0.25: v2(21.52,117.94) 21.46,118.01 21.46,121.34 v2(21.52,121.4)
  Bottom w0.25: v2(21.52,121.4) 21.44,121.48 ; v2(21.52,121.4) 21.52,121.36 21.64,121.48 LED_L2.1 21.6,121.48 v2(21.52,121.4) ; v2(21.52,117.94) 21.93,118.35 LED_L3.3 21.63,118.35
Net-(LED_L3-DOUT): length 5.7
  Bottom w0.3: LED_L4.3 28.86,116.72 29.13,116.99 29.13,119.03 28.31,119.85 LED_L3.1
Net-(LED_R1-DOUT): length 7.5
  Top w0.25: v2(158.6,121.03) 158.01,121.62 158.01,124.13 158.28,124.4 v2(158.82,124.4)
  Bottom w0.25: LED_R2.3 158.92,121.27 158.68,121.03 v2(158.6,121.03) ; v2(158.82,124.4) LED_R1.1
Net-(LED_R1-VDD): length 36
  Top w0.25: v2(159.15,119.64) 160.47,119.64
  Top w0.3: v2(159.15,125.93) 160.47,124.61 160.47,112.99 160.7,112.77 v2(162.72,112.77) 163.2,113.24 164.81,113.24 v2(166.02,114.45) 165.65,114.82 165.65,120.9 v2(166.02,121.27)
  Bottom w0.25: LED_R1.4 159.18,125.9 v2(159.15,125.93) ; v2(166.02,114.45) 165.5,114.98 LED_R4.4 ; LED_R2.4 v2(166.02,121.27) ; v2(162.72,112.77) 162.72,112.72 ; LED_R3.4 v2(159.15,119.64)
  Bottom w0.3: QR5.3 162.27,112.27 162.72,112.72
Net-(LED_R2-DOUT): length 5.8
  Bottom w0.25: LED_R2.1 166.79,122.77 166.97,122.59 166.97,119.86 166.75,119.64 LED_R3.3
Net-(LED_R3-DOUT): length 8.8
  Bottom w0.25: LED_R3.1 157.44,118.14 157.05,117.75 157.05,116.02 157.38,115.69 159.03,115.69 159.47,115.24 160.07,115.24 LED_R4.3
Net-(LL1-Pad2): length 11.6
  Bottom w0.25: UL2.6 52.98,79.62 LL1.2 52.48,79.46 UL2.7
Net-(LR1-Pad2): length 7.2
  Bottom w0.25: 137.61,84.69 UR2.6 UR2.7
  Bottom w0.5: LR1.2 137.61,81.12 137.61,84.69
Net-(P2_U1-+VCSEL): length 23.3
  Bottom w0.16: 88.55,77.47 P2_U1.10 89.23,78.14 93.9,78.14 ; 93.9,78.14 95.58,78.14 96.28,77.45 96.28,77.11 96.48,76.9 98.39,76.9 98.56,76.73 98.56,66.59 P2_U1.1 ; 93.9,78.14 93.48,78.57 93.48,79.06
Net-(P2_U1--VCSEL): length 1.8
  Top w0.16: P2_U1.16 P2_U1.15
Net-(P2_U1-CN): length 9.7
  Bottom w0.16: P2_U1.13 87.78,72.9 87.78,79.96 88.37,80.55 88.37,81.28
Net-(P2_U1-CP): length 10
  Top w0.16: P2_U1.12 87.78,74.68 87.78,79.96 88.98,81.16 v1(88.98,81.9)
  Bottom w0.16: 88.37,82.83 88.37,82.51 v1(88.98,81.9)
Net-(P2_U1-NRESET): length 3.4
  Bottom w0.16: P2_R1.1 97.11,79.01 99.25,76.86 P2_U1.7
Net-(P2_U1-VCP): length 3.4
  Bottom w0.16: 91.92,79.06 88.74,79.06 P2_U1.9
Net-(QL5-G): length 2.5
  Bottom w0.25: QL5.1 24.99,97.82 RL5.2
Net-(QL6-D): length 74.9
  Top w0.3: v2(7.98,93.76) 11.1,93.76 13.3,95.96 13.3,95.98 15.04,97.72 15.04,99.84 16.07,100.87 18.14,100.87 24.94,94.08 27.93,94.08 28.05,94.2 30.26,94.2 31.52,92.94 34.84,92.94 v2(35.3,93.4) ; v2(46.45,100.06) 46.45,99.76 44.15,97.46 40.59,97.46 v2(40.55,97.42)
  Bottom w0.3: v2(46.45,100.06) 46.48,100.09 51.59,100.09 52.19,99.49 CL6.1 ; v2(40.55,97.42) 36.53,93.4 v2(35.3,93.4) ; 52.19,96.63 RL6.1 51.92,96.36 ; 53.24,86.88 53.13,86.99 ; QL6.3 7.81,96.37 8.83,95.35 8.83,94.61 v2(7.98,93.76) ; UL2.4 UL2.3 ; 51.92,92.14 CL8.1
  Bottom w0.6: 53.13,86.99 53.13,90.51 51.93,91.71 CL8.1
  Bottom w0.9: 51.92,92.14 CL7.1 51.92,96.36 ; CL6.1 52.19,96.63
Net-(QL7-S): length 15.4
  Bottom w0.3: RL14.1 43.53,108.97 42.56,108.01 42.56,106.37 41.24,105.05 39.67,105.05 39.23,105.49 39.23,107.11 35.14,111.2 QL7.2
Net-(QL8-G): length 9.8
  Bottom w0.25: QL8.1 51.8,71.68 51.8,69.2 53.45,67.55 53.45,65.42 55.29,63.58 RL13.2
Net-(QL8-S): length 32.7
  Bottom w0.25: 48.78,71.01 49.39,71.62 49.39,72.35 50.72,73.68 50.72,75.23 52.63,77.14 LL1.1 ; 48.78,71.01 48.86,70.94 48.86,69.28 48.82,69.24 47.92,69.24 47.4,68.72 RL2.1 44.57,69.53 RL4.2 ; 48.78,71.01 UL3.2 48.37,71.01
  Bottom w0.3: UL2.8 51.98,84.11 51.82,83.95 50.86,83.95
  Bottom w0.6: LL1.1 51.31,77.14 50.86,77.58 CL5.1 50.86,83.95
  Bottom w1: QL8.2 53.69,72.07 53.69,76.1 LL1.1
Net-(QR5-G): length 7
  Bottom w0.25: RR5.2 164.3,107.66 162.04,107.66 161.32,108.38 QR5.1
Net-(QR6-D): length 63.5
  Top w0.3: v2(143.11,98.98) 142.9,98.77 136.66,98.77 v2(136.65,98.78)
  Bottom w0.25: 138.12,87.18 UR2.4 UR2.3
  Bottom w0.3: 166.93,102.53 QR6.3 166.82,97.56 165.68,96.42 165.68,93.2 163.72,91.24 160.48,91.24 157.2,87.96 149.75,87.96 144.78,92.93 144.78,97.31 v2(143.11,98.98) ; v2(136.65,98.78) 136.59,98.84 CR6.1
  Bottom w0.5: CR6.1 135.49,96.68 RR6.1 135.46,94.5 CR7.1 135.33,92.14 CR8.1 138.12,89.33 138.12,87.18 ; 135.68,96.64 135.73,96.59
Net-(QR7-S): length 82.8
  Top w0.25: v2(132.5,52.05) 132.5,57.84 134.46,59.8 138.82,59.8 141.4,62.38 141.4,63.73 147.9,70.23 147.9,71.08 144.75,74.23 144.75,76.51 147.34,79.1 147.34,91.09 148.99,92.73 148.99,101.58 148.65,101.92 148.65,105.07 151.2,105.07 153.51,107.37 153.51,109.03 153.26,109.28 152.9,109.28 v2(150.87,111.3)
  Bottom w0.25: QR7.2 153.26,113.69 v2(150.87,111.3) ; v2(132.5,52.05) 131.53,51.08 RR14.1
Net-(QR8-G): length 6
  Top w0.25: v2(128.87,60.41) 131.27,60.41 v2(131.74,60.88)
  Bottom w0.25: RR13.1 132.45,60.17 v2(131.74,60.88) ; QR8.1 127.83,61.45 v2(128.87,60.41)
Net-(QR8-S): length 53.7
  Bottom w0.25: LR1.1 136.34,76.44 136.34,72.19 136.91,71.61 UR3.2 138.16,71.61 138.49,71.29 138.49,70.65 138.92,70.22 140.25,70.22 RR4.2 ; 136.77,84.73 136.91,84.87 UR2.8 ; RR2.1 135.01,62.79 132.72,65.08
  Bottom w0.5: 136.77,84.73 136.77,83.96 135.77,82.96 CR5.1 135.77,81.9 133.84,79.97 133.84,77.9 134.68,77.07 LR1.1
  Bottom w1: LR1.1 134.06,75.42 134.06,66.42 132.72,65.08 131.36,65.08 130.54,64.26 130.54,59.94 129.67,59.07 125.96,59.07 125.96,61.45 QR8.2
Net-(TL1-Pin_1): length 24.2
  Top w0.25: v2(27.81,55.47) 27.81,58.07 28.17,58.43 29.01,58.43 29.35,58.09 29.35,56.77 30.91,55.2 33.76,55.2 TL1.1
  Bottom w0.25: CL1.1 28.97,54.31 v2(27.81,55.47) 26.8,56.48 UL4.1
Net-(TL2-Pin_1): length 38.2
  Top w0.25: v2(26.98,54.01) 26.96,53.99 26.96,44.86 35.46,36.36 40.61,36.36 44.57,40.32 TL2.1
  Bottom w0.25: UL4.2 26.11,54.89 v2(26.98,54.01) CL2.1
Net-(TL3-Pin_1): length 46.7
  Top w0.25: v2(24.49,53.84) 24.49,49.99 23.2,48.7 23.2,47.27 v2(23.15,47.22)
  Top w0.3: v2(21.13,43.26) 21.13,37.27 20.22,36.36 15.77,36.36 8.56,43.57 v2(8.56,47.96)
  Bottom w0.25: 25.47,54.31 25.47,53.05 CL3.1 ; 25.47,54.31 UL4.3 ; 25.47,54.31 24.96,54.31 v2(24.49,53.84) ; v2(21.13,43.26) 23.15,45.28 v2(23.15,47.22)
  Bottom w0.3: v2(8.56,47.96) 8.61,48.01 TL3.1
Net-(TL4-Pin_1): length 181.7
  Top w0.25: v2(50.25,110.45) 45.49,105.69 45.49,102.64 47.25,100.88 47.25,99.47 43.39,95.61 43.39,91.17 45.62,88.94 45.62,79.91 43.07,77.36 43.07,71.63 45.77,68.93 45.77,56.94 46.1,56.62 46.12,56.62 46.46,56.28 46.46,56.26 49.22,53.49 49.22,49.56 52.21,46.57 v2(52.21,43.71) ; v2(24.27,54.9) 25.07,54.11 25.07,53.6 25.06,53.6 25.06,45.04 35.53,34.57 45.77,34.57 v2(47.49,36.29)
  Top w0.3: v2(50.84,115.14) 50.84,120.05 56.35,125.56 64.46,125.56 65.25,124.77 65.25,123.29 69.8,118.74 v2(69.8,118.58)
  Bottom w0.25: v2(50.25,110.45) 50.84,111.04 v2(50.84,115.14) ; UL4.4 24.84,55.47 v2(24.27,54.9) 22.71,53.34 CL4.1 ; v2(52.21,43.71) 51.66,43.16 51.66,36.73 51.22,36.29 v2(47.49,36.29)
  Bottom w0.3: v2(69.8,118.58) 74.2,118.58 77.71,122.09 TL4.1 ; 22.71,52.56 22.7,52.57
Net-(TR1-Pin_1): length 24.1
  Bottom w0.25: CR1.1 165.58,53.32 UR4.1 165.58,57.31 163.9,58.98 150.34,58.98 TR1.1
Net-(TR2-Pin_1): length 32.8
  Top w0.25: v2(163.74,53.55) 163.18,54.11 157.54,54.11 v2(156.8,53.37)
  Bottom w0.25: CR2.1 v2(163.74,53.55) 164.6,53.55 164.94,53.89 UR4.2 ; v2(156.8,53.37) 156.8,53.04 153.19,49.43 147.26,49.43 143.3,45.47 TR2.1
Net-(TR3-Pin_1): length 33.9
  Top w0.25: v2(164.18,54.61) 164.18,57.06 167.96,60.84 173.27,60.84 173.96,60.15 173.96,52.48 175.35,51.09 v2(176.99,51.09)
  Bottom w0.25: 163.69,55.06 164.31,55.68 UR4.3 ; 163.69,55.06 164.14,54.61 v2(164.18,54.61) ; 163.69,55.06 161.3,52.67 CR3.1 ; v2(176.99,51.09) 177.05,51.15 TR3.1
Net-(TR4-Pin_1): length 130.6
  Top w0.25: v2(153.43,60.12) 153.43,56.33 v2(153.6,56.16) ; v2(141.41,86.18) 141.41,90.57 143.98,93.14 143.98,103.52 136.98,110.52 136.98,118.94 134.49,121.43 132.71,121.43 129.87,124.27 v2(129.06,124.27)
  Bottom w0.25: v2(141.41,86.18) 141.41,81.07 143.94,78.54 143.94,73.52 142.28,71.86 142.28,70.31 141.05,69.08 141.05,67.6 142.31,66.34 142.31,65.35 148.02,65.35 150.09,67.42 151.99,65.52 151.99,61.38 153.25,60.12 v2(153.43,60.12) ; TR4.1 113.06,124.41 116.84,120.63 119.78,120.63 123.42,124.27 v2(129.06,124.27) ; UR4.4 163.67,55.71 163.08,55.12 161.11,55.12 CR4.1 158.67,54.66 157.17,56.17 153.61,56.17 v2(153.6,56.16)
Net-(UL2-EN): length 22
  Top w0.25: v2(54.34,81.21) 49.93,76.8 49.93,73.21 47.07,70.35 v2(47.07,69.31)
  Bottom w0.25: RL4.1 46.4,69.74 46.82,69.31 v2(47.07,69.31) 47.82,70.06 UL3.1 ; v2(54.34,81.21) 53.48,82.07 UL2.5
Net-(UL2-FB): length 12.8
  Bottom w0.3: UL2.2 52.48,88.64 RL7.1 51.2,90.09 50.32,90.96 RL6.2 50.29,96.61 CL6.2
Net-(UL4-TPQ0): length 9.4
  Bottom w0.3: UL4.16 26.74,62.55 24.38,64.91 24.38,67.6 25.84,69.06 RL8.2
Net-(UL4-TPQ1): length 8.8
  Bottom w0.3: UL4.15 26.11,62.47 23.88,64.7 RL9.2
Net-(UL4-TPQ2): length 9.3
  Bottom w0.3: UL4.14 25.47,62.4 21.91,65.96 RL10.2
Net-(UL4-TPQ3): length 9.9
  Bottom w0.25: UL4.13 24.84,62.36 19.96,67.24 RL11.2
Net-(UR2-EN): length 15.1
  Bottom w0.25: UR2.5 138.41,77.16 137.66,76.41 UR3.1 138.13,72.56 RR4.1
Net-(UR2-FB): length 13.5
  Bottom w0.3: UR2.2 137.41,87.32 RR7.1 133.64,91.1 RR6.2 133.59,96.7 CR6.2
Net-(UR4-TPQ0): length 6.2
  Bottom w0.25: UR4.16 165.58,64.51 RR8.2
Net-(UR4-TPQ1): length 5.6
  Bottom w0.25: UR4.15 164.94,65.88 RR9.2
Net-(UR4-TPQ2): length 6.6
  Bottom w0.25: RR10.2 164.31,67.8 UR4.14
Net-(UR4-TPQ3): length 8.5
  Bottom w0.25: RR11.2 162.9,68.53 162.9,63.28 163.67,62.51 UR4.13

## Copper pours and planes (outline as drawn; the poured copper is in the pictures)
GND on Top: 86.51,59.66 102.09,59.55 102.09,38.51 86.4,38.51
GND on Top: 101.35,63.31 85.77,63.42 85.77,84.46 101.46,84.46
GND on Bottom: 86.81,59.36 101.72,59.25 101.72,38.82 86.82,38.9
GND on Bottom: 101.05,63.61 86.14,63.72 86.14,84.15 101.04,84.07
GNDL on Top: -3.44,-3.42 -3.61,131.6 94.58,131.48 94.58,-3.37 -3.44,-3.45
GNDL on Top: 189.63,129.77 94.98,129.84 94.98,-1.62 189.36,-1.56 189.6,129.78
GNDL on Bottom: 191.31,-3.41 191.48,131.61 94.71,131.68 94.71,-3.17 191.31,-3.44
GNDL on Bottom: -1.76,129.76 94.71,130.31 94.71,-1.15 -1.49,-1.57 -1.73,129.77

Small or netless copper shapes (teardrops, artwork), in the pictures only: 4 on Bottom

## Text on the board
B.Silkscreen: Cut for right trackball / 右トラックボールの場合切断 | Right 右手基板 | TouchSensor3 | TouchSensor4 | 左右通信用 | ON | DYA Dash Rev2.1 | Cut for left trackball / 左トラックボールの場合切断 | Left 左手基板 | OFF | - | GND | +
F.Silkscreen: IC Side | - | +
